# Altium PCB STM32MP25XXAK_2_DDR3L_ascii.PcbDoc (part 5 of 6)
Units mm, origin at the board's own origin, x right, y up, seen from the top; angles counter-clockwise.
Board outline 120 x 79.6 mm, 4 copper layers (Top Layer, Signal Layer 1, Signal Layer 2, Bottom Layer), stack 1.614 mm thick; 247 components, 155 nets, 1312 pads, 792 vias.
Unrouted connection lines stored in the file: 6.
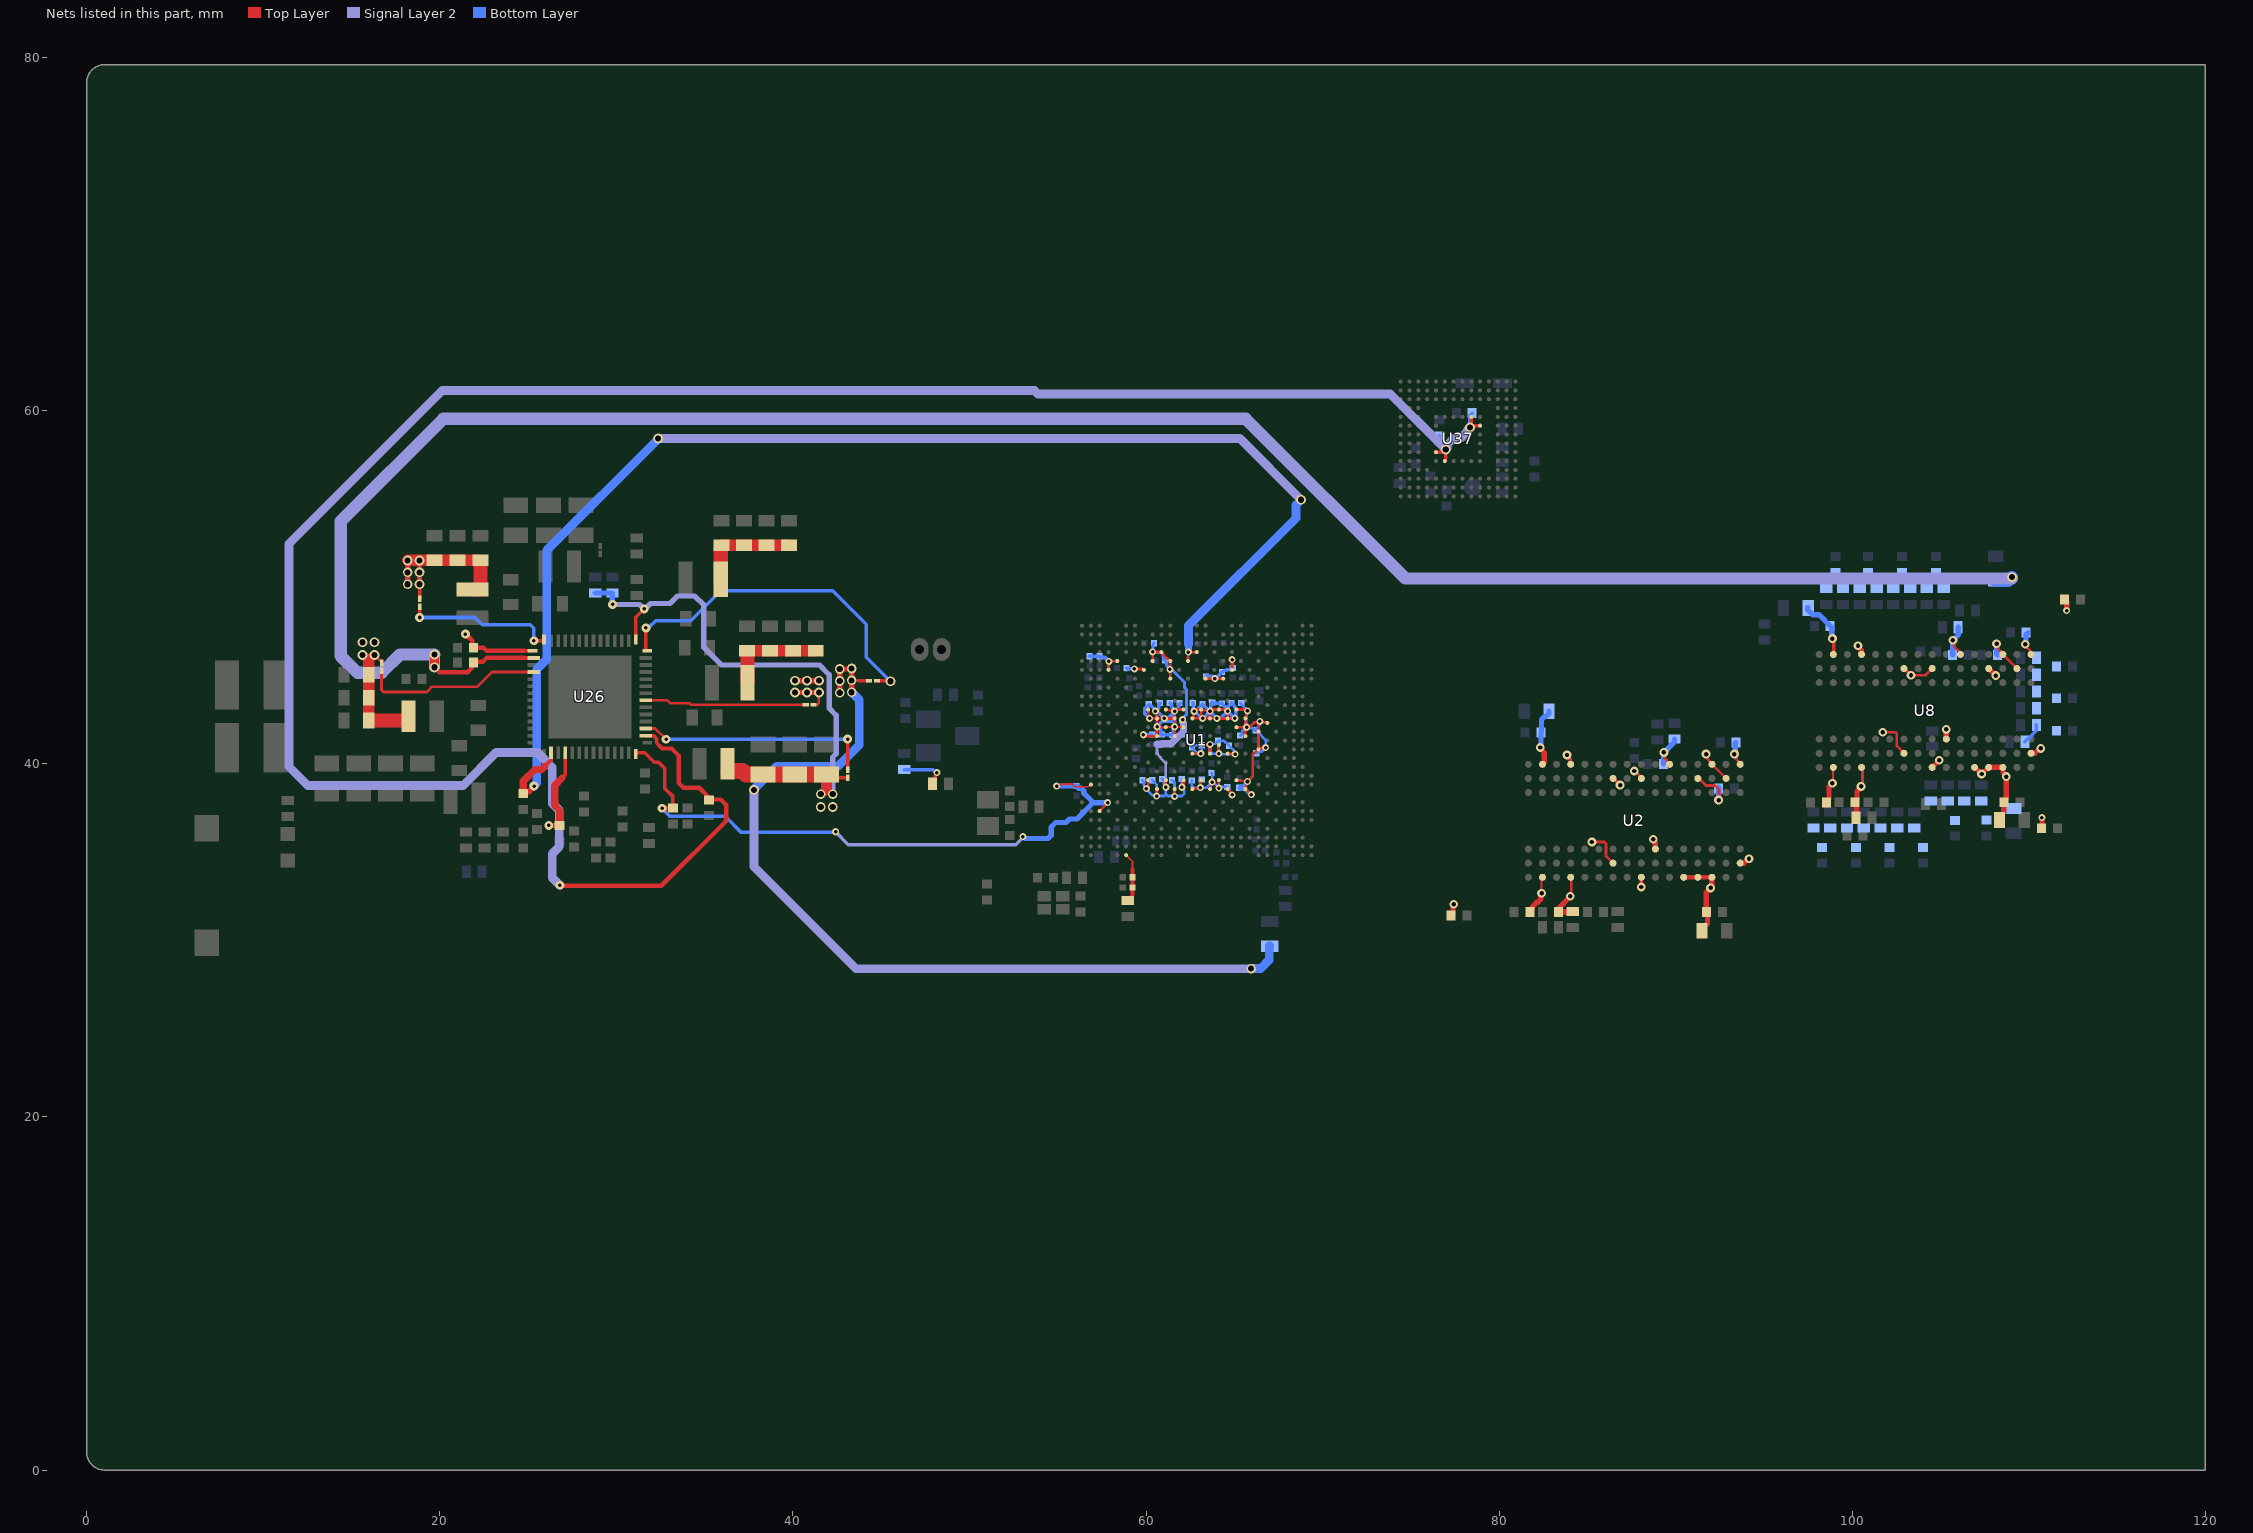
[diagram p6: the nets of this part, all layers, seen from the top]

## Via types
v1: diameter 0.55, hole 0.35, Top Layer to Bottom Layer, 275 vias
v2: diameter 0.4, hole 0.2, Top Layer to Bottom Layer, tented both sides, 246 vias
v3: diameter 0.5, hole 0.2, Top Layer to Bottom Layer, 146 vias
v4: diameter 0.5, hole 0.25, Top Layer to Bottom Layer, 125 vias

## Nets (pads, with @x,y where several pads share a name; then routed paths per layer and width w, separated by ;. In a path a pad name is that pad's centre, name@x,y a point inside that pad or via, vN(x,y) a via of type N, cw(c..) or ccw(c..) an arc to the next point about the centre after c; other vN are vias at no path point) (continued)
VDD_DDR: C39.2 C41.2 C75.2 C76.2 C77.1 C82.2 C83.2 C100.2 C101.2 C102.2 C103.2 C104.2 C105.2 C106.2 C107.2 C108.2 C109.2 C110.2 C111.2 C112.2 C113.2 C114.2 C115.2 C116.2 C119.2 C146.2 C167.2 C177.2 C200.2 C202.2 L5.2 LNK8.2 R141.2 R143.2 R146.2 R148.2 U1.1C11 U1.1D12 U1.1E11 U1.1F12 U1.1L11 U1.1M12 U1.M22 U1.N21 U1.R21 U2.A1 U2.A8 U2.B2 U2.C1 U2.C9 U2.D2 U2.D9 U2.E9 U2.F1 U2.G7 U2.H2 U2.H9 U2.K2 U2.K8 U2.N1 U2.N9 U2.R1 U2.R9 U8.A1 U8.A8 U8.B2 U8.C1 U8.C9 U8.D2 U8.D9 U8.E9 U8.F1 U8.G7 U8.H2 U8.H9 U8.K2 U8.K8 U8.N1 U8.N9 U8.R1 U8.R9 U26.43 | length 84.4
  Top Layer w0.1: v4(82.407,32.675) 82.407,33.525 U2.R9@82.457,33.575 ; v4@98.908,38.9 U8.R9@98.908,39.777
  Top Layer w0.125: U2.C1@92.057,39.977 U2.B2@92.858,39.177
  Top Layer w0.15: v1(16.298,46.165) 16.7,45.763 LNK8.2@16.7,45.723 ; U1.1L11@65.125,39.075 v2(65.75,39) U1.1M12@65.625,38.575 65.625,38.565 65.9,38.29 v2@65.9,38.26 ; U1.1E11@65.125,42.075 v2@65.625,42.075 ; U1.1C11@65.125,43.075 65.675,43.075 v2(65.75,43) ; U1.1F12@65.625,41.575 v2@65.625,42.075 ; v2@65.675,42.99 65.675,42.646 65.625,42.597 U1.1D12@65.625,42.575 v2@65.625,42.075 ; v2@66.375,42.274 66.458,42.357 66.137,42.357 65.89,42.111 65.661,42.111 v2@65.625,42.075 ; C146.2@77.282,31.4 77.387,31.505 77.462,31.58 77.462,31.98 v4@77.482,32 ; v4@84.091,32.558 U2.N9@84.091,33.541 ; v4(85.257,35.575) 85.971,35.575 86.059,35.487 86.059,34.773 U2.K8@86.457,34.375 ; v4@87.657,39.625 88.058,39.224 U2.H2@88.058,39.177 ; v4@89.328,40.725 89.333,40.725 89.358,40.7 89.358,40.328 89.657,40.029 U2.F1@89.657,39.975 ; U2.D2@91.258,39.177 91.311,39.177 91.711,38.777 92.218,38.777 92.457,38.538 v4@92.457,38.025 ; v4(91.729,40.55) 91.796,40.483 91.796,40.377 91.799,40.374 91.799,40.287 92.057,40.029 92.057,39.977 U2.C1@92.057,39.975 ; v4(93.332,40.55) 93.332,40.455 93.449,40.338 93.449,40.253 93.582,40.119 93.582,40.117 93.657,40.042 U2.A1@93.657,39.975 ; v4(100.507,38.725) 100.507,38.819 100.582,38.894 U8.N9@100.582,39.75 ; v4@101.732,41.8 102.442,41.8 102.53,41.712 102.53,41.002 U8.K8@102.932,40.6 ; v4@103.332,45.05 103.357,45.025 104.156,45.025 U8.H2@104.533,45.402 ; v4(105.704,47.005) 105.711,46.801 105.808,46.704 105.808,46.628 106.107,46.328 U8.F1@106.107,46.2 ; v4@108.182,46.775 108.249,46.708 108.249,46.512 108.507,46.254 U8.C1@108.507,46.202 ; C110.2@108.333,37.002 108.582,37.251 108.583,37.252 C115.2@108.583,37.927 ; C110.2@108.334,36.857 C110.2@108.334,36.981 ; U8.C1@108.469,46.241 U8.C1@108.507,46.202 ; U8.C1@108.507,46.2 U8.C1@108.507,46.202 ; U8.C1@108.532,46.2 U8.B2@109.332,45.4 ; v4@109.793,46.75 109.793,46.685 110.093,46.385 110.093,46.238 U8.A1@110.132,46.2
  Top Layer w0.16: v2(65.75,39) 66.042,39.292 66.042,40.512 U1.R21@66.32,40.79 ; U1.R21@66.321,40.79 66.363,40.832 66.363,41.813 U1.N21@66.375,41.825 v2@66.375,42.274 ; U1.R21@66.375,40.825 66.394,40.825 66.471,40.902 66.757,40.902 v2@66.78,40.925 ; v2@66.458,42.357 66.843,42.357 U1.M22@66.875,42.325
  Top Layer w0.2: v4(83.849,40.5) 83.849,40.468 84.02,40.297 84.02,40.015 U2.N1@84.058,39.977 ; U2.K2@86.483,39.177 86.835,38.825 v4@86.857,38.825 ; U2.H9@88.02,33.538 88.024,33.538 88.057,33.505 v4@88.057,33.05 ; v4(98.882,47.094) 98.95,46.818 98.95,46.217 U8.R1@98.932,46.2 ; U8.K2@102.958,45.402 103.31,45.05 v4@103.332,45.05
  Top Layer w0.21: 24.775,46.4 U26.43@25.325,46.4
  Top Layer w0.25: 21.695,47.125 21.699,47.125 21.845,46.979 21.845,46.685 C39.2@21.955,46.575 ; C39.2@22.005,46.575 22.475,46.575 22.65,46.4 24.775,46.4
  Top Layer w0.275: U2.E9@90.457,33.575 U2.D9@91.257,33.575 91.259,33.577 91.825,33.577 ; 91.825,33.575 U2.C9@92.057,33.575 ; U8.H9@104.533,39.802 v4(104.933,40.202) ; U8.E9@106.934,39.811 107.319,39.425 v4(107.332,39.425) ; v4@107.332,39.525 107.359,39.498 107.406,39.498 107.67,39.762 107.674,39.762 107.711,39.8 U8.D9@107.732,39.8
  Top Layer w0.3: v3@21.444,47.376 21.695,47.125 ; C146.2@77.387,31.505 77.387,31.949 77.432,31.994 v4(77.432,32.048) ; C103.2@81.758,31.6 81.863,31.705 81.863,31.854 81.963,31.954 81.963,31.979 82.137,32.153 82.182,32.153 82.358,32.329 82.358,32.571 82.407,32.621 v4(82.407,32.675) ; v4(82.332,40.925) 82.332,40.871 82.557,40.646 82.557,40.088 82.457,39.988 U2.R1@82.457,39.975 ; C104.2@83.576,31.625 R143.2@84.183,31.625 84.158,31.6 C104.2@83.358,31.6 83.358,31.808 v4@84.032,32.482 ; v4@88.732,35.7 88.732,35.646 88.848,35.53 88.848,35.184 U2.G7@88.857,35.175 ; C101.2@91.507,30.65 91.807,30.95 91.807,31.675 C108.2@91.763,31.719 ; C108.2@91.732,31.675 91.732,32.721 91.982,32.971 v4(91.982,32.975) 91.982,33.029 92.048,33.094 92.048,33.565 U2.C9@92.057,33.575 ; U2.A8@93.71,34.375 93.856,34.375 94.131,34.65 v4@94.157,34.65 ; C111.2@98.583,37.902 98.688,38.007 98.688,38.705 v4(98.882,38.9) ; C114.2@100.158,37.825 100.224,37.759 R148.2@100.224,36.946 ; C114.2@100.27,37.989 100.27,38.433 100.507,38.671 v4(100.507,38.725) ; v4(100.333,46.689) 100.333,46.635 100.513,46.454 100.513,46.219 U8.N1@100.532,46.2 ; U8.G7@105.332,41.4 v4(105.333,41.95) ; U8.D9@107.732,39.8 108.532,39.8 108.541,39.79 108.541,39.52 108.732,39.329 v4(108.732,39.275) 108.732,38.076 C115.2@108.687,38.031 ; U8.D2@107.732,45.4 v4(108.132,45) ; C110.2@108.333,37.001 C110.2@108.582,37.25 ; C110.2@108.582,37.251 C115.2@108.582,37.9 ; C115.2@108.584,37.927 C115.2@108.687,38.03 ; U8.A8@110.132,40.6 110.343,40.6 v4@110.653,40.91 ; C167.2@110.733,36.35 110.75,36.368 v2(110.75,36.957) ; C177.2@112.025,49.305 112.15,49.18 v2(112.15,48.68)
  Top Layer w0.64: C202.2@15.975,42.45 C41.2@15.975,43.75 C200.2@15.975,45.05 ; 15.975,45.495 15.975,45.925
  Top Layer w0.8: C202.2@16.2,42.45 L5.2@17.975,42.45
  Bottom Layer w0.15: C83.2@65.35,43.425 v2@65.627,43.148 ; C82.2@65.352,41.603 65.452,41.703 65.452,41.862 v2@65.625,42.035 ; v2@65.625,42.075 65.625,42.143 65.675,42.193 v2@65.675,42.99 ; v2@65.673,42.027 66.023,42.027 66.183,41.867 C75.2@66.218,41.867 ; C75.2@66.205,41.9 66.305,41.8 66.34,41.8 66.78,41.36 v2@66.78,40.925
  Bottom Layer w0.16: C75.2@66.175,41.9 66.27,41.995 66.27,42.018 66.404,42.152 66.404,42.354 v2(66.45,42.4) ; C77.1@66.25,40.6 66.332,40.682 66.537,40.682 v2@66.78,40.925
  Bottom Layer w0.2: v2(65.75,39) 65.476,38.726 65.466,38.726 65.463,38.723 65.349,38.723 C76.2@65.274,38.648 65.349,38.573 65.607,38.573 65.92,38.26 v2(65.97,38.26)
  Bottom Layer w0.3: v4@82.332,40.923 82.369,40.96 82.369,41.76 82.407,41.798 82.407,42.502 82.582,42.678 82.662,42.678 82.832,42.848 C100.2@82.832,42.973 ; C102.2@89.308,40.002 89.308,40.605 89.933,41.23 R141.2@89.933,41.4 ; C105.2@92.432,38.673 92.444,38.66 92.444,38.035 v4@92.457,38.023 ; v4(93.332,40.55) 93.369,40.586 93.369,41.161 C107.2@93.407,41.198 ; C109.2@97.481,48.848 97.481,48.723 97.75,48.454 98.125,48.454 C116.2@98.844,47.735 ; C116.2@98.843,47.734 98.843,47.132 v4(98.882,47.094) ; C113.2@105.683,46.17 105.704,46.191 v4(105.704,47.005) 106.008,47.309 R146.2@106.008,47.735 ; v4(108.182,46.8) 108.182,46.22 C119.2@108.233,46.17 ; v4@108.195,46.787 v4@108.219,46.811 ; v4@109.781,46.748 109.781,46.802 109.851,46.872 109.851,47.318 C112.2@109.956,47.423
  other v1: 15.623,46.165 15.623,46.89 16.298,46.89
  other v2: 66.78,40.921 65.7,42.075
  other v3: 21.45,47.348
  other v4: 84.032,32.5 88.057,33.025 94.157,34.625 88.732,35.725 92.432,37.95 86.857,38.795 87.657,39.595 89.333,40.65 110.677,40.875 101.732,41.795 103.332,45.02 109.807,46.775
VDD_DDR_FB: LNK8.1 U26.46 | length 10.2
  Top Layer w0.15: LNK8.1@16.7,45.273 16.7,44.19 16.817,44.073 19.267,44.073 19.567,44.373 20.237,44.373 20.239,44.375 22.127,44.375 22.952,45.2 U26.46@25.33,45.2
VDD_EMMC: C9.2 C117.2 C190.1 U26.16 U37.E6 U37.F5 U37.J10 U37.K9 | length 132.2
  Top Layer w0.2: U37.E6@76.425,57.655 76.73,57.655 76.88,57.805 v1(76.975,57.805) 76.975,57.213 76.925,57.163 U37.F5@76.925,57.155 ; v1(78.35,59.055) v1@78.425,59.13 ; U37.J10@78.425,59.655 78.425,59.225 78.417,59.217 78.417,59.138 v1@78.425,59.13 ; U37.K9@78.925,59.155 78.545,59.155 78.512,59.122 78.433,59.122 v1@78.425,59.13
  Top Layer w0.21: U26.16@31.67,41.6 32.1,41.6 32.288,41.412 32.288,41.187 32.434,41.041
  Top Layer w0.25: v3@26.752,33.092 32.549,33.092 36.225,36.768 36.225,37.668 35.912,37.981 C190.1@35.266,37.981 ; 32.432,41.038 32.598,40.872 33.128,40.872 33.525,40.475 33.525,38.925 33.8,38.65 34.695,38.65 35.25,38.095 C190.1@35.25,38.025
  Signal Layer 2 w0.5: v3(26.8,33.125) 26.372,33.553 26.372,34.908 26.765,35.301 26.765,37.369 26.372,37.762 26.372,39.786 25.509,40.649 23.203,40.649 21.327,38.773 12.524,38.773 11.458,39.839 11.458,52.457 20.147,61.146 53.676,61.146 53.869,60.953 73.827,60.953 76.886,57.894 v1(76.975,57.805) 76.975,57.819 77.05,57.894 77.05,58.059 77.431,58.44 77.819,58.44 78.2,58.821 78.2,58.891 78.34,59.032 v1@78.34,59.045
  Bottom Layer w0.2: C9.2@76.615,58.58 76.615,58.074 76.884,57.805 v1(76.975,57.805) ; v1(78.35,59.055) 78.35,59.739 C117.2@78.475,59.864
VDD_SDCARD: C215.1 U26.4 | length 5.1
  Top Layer w0.21: 26.925,39.2 27.1,39.375 U26.4@27.1,40.63
  Top Layer w0.3: v3(26.165,36.51) C215.1@26.775,36.51
  Top Layer w0.4: C215.1@26.775,36.51 26.775,37.393 26.51,37.658 26.51,38.785 26.925,39.2
VDDA1V8_AON: C189.2 C234.2 U1.AB3 U1.W2 U26.14 | length 37.9
  Top Layer w0.09: 56.026,38.692 56.705,38.692 56.837,38.825 U1.W2@56.875,38.825 ; v2@57.825,37.775 v2(57.825,37.8)
  Top Layer w0.1: v2(54.932,38.744) 54.99,38.801 55.205,38.801 55.267,38.863 55.805,38.863 55.975,38.692 56.026,38.692
  Top Layer w0.15: U1.AB3@57.375,37.325 v2@57.825,37.775
  Top Layer w0.21: U26.14@31.1,40.63 31.61,40.63 32.148,40.092 32.387,40.092 32.745,39.734 32.745,38.602 33.2,38.147 C189.2@33.2,37.49
  Top Layer w0.3: v3(32.59,37.49) C189.2@33.2,37.49
  Signal Layer 2 w0.2: v2(42.415,36.154) 43.144,35.425 52.627,35.425 53.025,35.823 v2(53.025,35.875)
  Bottom Layer w0.2: v3@32.57,37.493 33.032,37.031 36.158,37.031 37.056,36.133 42.394,36.133 v2(42.415,36.154)
  Bottom Layer w0.3: v2(53.025,35.875) 53.052,35.875 53.152,35.775 53.829,35.775 53.836,35.769 54.451,35.769 54.627,35.944 54.627,36.412 54.891,36.675 55.461,36.675 55.662,36.877 56.088,36.877 57.012,37.8 ; v2(54.932,38.744) 54.936,38.748 C234.2@56.064,38.748 56.199,38.613 56.338,38.613 56.479,38.472 56.479,38.333 57.012,37.8 ; v2(57.825,37.8) 57.012,37.8
VDDCORE: C22.2 C23.2 C24.2 C44.1 C45.2 C46.2 C47.1 C48.2 C49.2 C50.2 C51.2 C183.2 C192.2 C197.2 C201.2 L2.2 LNK2.2 R11.1 U1.1C1 U1.1C3 U1.1C5 U1.1D2 U1.1D4 U1.1E3 U1.1E5 U1.1F2 U1.1F4 U1.E5 U1.F4 U1.F8 | length 78.2
  Top Layer w0.15: U1.F4@57.875,45.325 v2(57.9,45.8) U1.E5@58.375,45.825 ; v2@59.4,45.375 59.803,45.375 59.853,45.325 U1.F8@59.875,45.325 ; v2(59.85,41.65) 59.904,41.65 59.981,41.573 U1.1F2@60.624,41.573 ; U1.1C1@60.125,43.075 60.125,42.724 60.206,42.643 v2@60.206,42.575 ; v2(60.21,42.575) U1.1D2@60.625,42.575 ; v2@60.545,42.99 60.545,42.922 60.625,42.842 U1.1D2@60.625,42.575 ; U1.1F2@60.625,41.65 v2(60.625,42.1) ; U1.1C3@61.125,43.075 v2(61.625,42.983) ; U1.1F4@61.625,41.575 v2(61.625,42.1) ; U1.1E5@62.125,42.075 v2(61.625,42.1) ; U1.1C5@62.125,43.075 61.771,43.075 61.679,42.983 v2(61.625,42.983) ; v2(60.625,42.1) U1.1D2@60.625,42.575 ; v2(60.625,42.1) 60.65,42.075 U1.1E3@61.125,42.075 v2(61.625,42.1) ; U1.1D2@60.625,42.575 61.017,42.572 61.622,42.572 U1.1D4@61.625,42.575 ; v2(61.625,42.1) U1.1D4@61.625,42.575 ; U1.1D4@61.625,42.575 v2@61.625,42.983
  Top Layer w0.2: C22.2@39.775,52.375 C22.2@39.823,52.423 ; 43.7,44.7 LNK2.2@44.316,44.7
  Top Layer w0.3: v1(42.656,44.024) v1(42.656,44.699) v1(42.656,45.374) 43.331,45.374 43.331,44.729 v1@43.331,44.024
  Top Layer w0.64: C183.2@35.95,52.375 C24.2@37.225,52.375 C23.2@38.5,52.375 C22.2@39.775,52.375
  Top Layer w0.8: L2.2@35.915,50.2 L2.2@35.915,50.45 C183.2@35.915,52.173
  Signal Layer 2 w0.5: v1(37.8,38.525) 37.798,38.523 37.798,34.168 43.576,28.39 v1@65.911,28.39 ; v1@65.911,28.391 65.947,28.391 v1(65.956,28.4)
  Bottom Layer w0.2: C192.2@56.8,46.1 C201.2@57.375,46.1 57.45,46.025 57.675,46.025 v2(57.9,45.8) ; C197.2@58.9,45.425 58.942,45.383 v2(59.342,45.383) ; v2(59.85,41.65) 60.346,41.65 C44.1@60.351,41.655 ; v2@60.206,42.575 59.942,42.839 59.942,43.153 60.059,43.27 60.098,43.27 60.173,43.345 60.198,43.32 60.235,43.32 60.285,43.27 60.328,43.27 60.507,43.091 60.507,43.028 60.545,42.99 v2@60.578,42.99 ; C51.2@60.814,43.438 60.788,43.438 60.725,43.375 60.725,43.137 v2@60.578,42.99 ; C46.2@60.84,41.657 C46.2@60.913,41.657 ; C46.2@60.915,41.655 C46.2@60.913,41.657 ; v2@61.135,42.572 61.017,42.572 61.017,42.591 60.719,42.89 60.699,42.89 60.599,42.99 v2@60.578,42.99 ; C49.2@61.377,43.437 61.452,43.362 61.452,43.201 61.625,43.028 v2(61.625,42.983) v2@61.616,42.961 ; C47.1@61.476,41.631 C47.1@61.502,41.657 ; C50.2@61.941,43.438 61.866,43.363 61.866,43.211 v2@61.616,42.961 ; C48.2@62.038,41.657 C47.1@61.502,41.657 ; C46.2@60.913,41.657 C47.1@61.502,41.657 ; C46.2@60.913,41.657 60.84,41.73 60.84,41.94 60.719,42.062 60.663,42.062 v2(60.625,42.1) 60.625,42.107 60.923,42.405 v2@61.06,42.405 ; v2@61.06,42.405 v2@61.227,42.572 ; v2@61.06,42.405 61.623,42.405 ; v2@61.227,42.572 v2@61.616,42.961 ; v2@61.227,42.572 61.455,42.572 ; 61.455,42.572 v2@61.616,42.961 ; 61.455,42.572 61.623,42.405 ; C47.1@61.502,41.657 61.551,41.706 61.551,41.972 61.625,42.046 v2(61.625,42.1) 61.623,42.102 61.623,42.405
  Bottom Layer w0.5: v1(37.8,38.525) 37.81,38.535 37.81,38.592 39.084,39.866 42.555,39.866 43.757,41.068 43.757,43.623 v1(43.326,44.054) ; v1(65.956,28.4) 66.485,28.4 66.983,28.898 66.983,29.658 R11.1@67,29.675
  other v1: 43.326,44.729 43.326,45.404
  other v2: 61.04,42.575 60.531,42.99
VDDCORE_FB: LNK2.1 U26.28 | length 20.6
  Top Layer w0.2: U26.28@31.67,46.4 v3(31.67,47.7) ; LNK2.1@44.766,44.7 v1@45.376,44.7
  Bottom Layer w0.2: v3@31.645,47.7 31.702,47.757 31.876,47.757 32.229,48.111 34.209,48.111 35.902,49.804 42.248,49.804 44.15,47.902 44.15,46.041 v1@45.508,44.683 ; v3@31.65,47.703 31.707,47.761 31.881,47.761 32.234,48.114
  other v1: 45.533,44.683
VDDCPU: C26.2 C27.2 C28.2 C62.1 C63.2 C64.2 C65.1 C66.2 C67.2 C68.2 C69.2 L3.2 LNK4.1 U1.1C7 U1.1C9 U1.1D6 U1.1D8 U1.1D10 U1.F18 U1.G15 U1.G17 | length 28.3
  Top Layer w0.15: v2@62.725,42.907 v2@62.725,42.975 ; v2@63.2,42.575 U1.1D6@62.625,42.575 62.625,42.597 62.696,42.668 62.696,42.956 v2(62.72,42.98) 62.788,42.98 62.883,43.075 U1.1C7@63.125,43.075 ; U1.G15@63.375,44.825 v2(63.9,44.825) U1.G17@64.375,44.825 ; U1.F18@64.875,45.325 v2(64.875,45.91) ; v2@65.017,42.572 64.628,42.572 U1.1D10@64.625,42.575 ; U1.1C7@63.125,43.075 63.125,42.728 63.21,42.643 v2(63.21,42.575) U1.1D8@63.625,42.575 ; U1.1C7@63.125,43.075 v2(63.625,42.983) ; U1.1D8@63.625,42.575 v2(63.625,42.983) ; U1.1D8@63.625,42.575 v2(64.017,42.572) 64.622,42.572 U1.1D10@64.625,42.575 ; v2(63.625,42.983) 63.693,42.983 63.784,43.075 U1.1C9@64.125,43.075 64.466,43.075 64.557,42.983 v2(64.625,42.983) U1.1D10@64.625,42.575
  Top Layer w0.2: LNK4.1@18.85,49.35 v1(18.85,50.173)
  Top Layer w0.3: v1(18.175,50.173) v1(18.175,50.848) v1(18.175,51.523) v1(18.85,51.523) v1(18.85,50.848) v1(18.85,50.173)
  Top Layer w0.64: v1(18.175,51.523) v1(18.175,51.523) C27.2@19.7,51.525 C28.2@21,51.525 C26.2@22.3,51.525
  Top Layer w0.8: L3.2@21.85,49.875 22.3,49.875 22.3,51.173
  Bottom Layer w0.15: v2(64.875,45.91) 64.895,45.89 C66.2@64.895,45.441
  Bottom Layer w0.2: C63.2@62.65,43.455 62.685,43.42 v2@62.685,43.015 ; C67.2@63.4,44.95 63.775,44.95 v2(63.9,44.825) 63.933,44.825 64.23,45.122 64.23,45.127 64.3,45.197 C69.2@64.305,45.197 ; v2(64.017,42.572) 64.055,42.61 64.252,42.61 v2(64.625,42.983) ; v2@64.017,42.583 v2@63.625,42.975 ; C69.2@64.305,45.202 64.579,45.324 64.778,45.324 64.886,45.432 64.91,45.423 C66.2@64.915,45.421 ; v2@63.625,42.975 v2(63.625,42.983) ; v2@63.625,42.975 63.625,42.963 63.237,42.575 63.169,42.575 62.764,42.98 v2(62.72,42.98) 62.758,43.018 62.843,43.018 C62.1@63.2,43.375 63.275,43.3 63.308,43.3 v2(63.625,42.983) ; v2(63.625,42.983) 63.625,43.038 63.675,43.088 63.675,43.4 C65.1@63.75,43.475 63.784,43.441 64.284,43.441 C68.2@64.3,43.425 64.587,43.138 64.587,43.022 v2(64.625,42.983) ; v2(64.625,42.983) 64.658,43.016 64.658,43.258 C64.2@64.85,43.45 65.03,43.27 65.03,43.196 65.086,43.141 65.086,42.672 65.04,42.626 v2(65.04,42.572) 65.036,42.572 v2(64.625,42.983)
VDDCPU_FB: LNK4.2 U26.42 | length 8.6
  Top Layer w0.2: v3(18.85,48.29) LNK4.2@18.85,48.9 ; v3(25.325,46.975) U26.42@25.895,46.975
  Bottom Layer w0.2: v3(18.85,48.29) 21.979,48.29 22.394,47.875 25.123,47.875 25.325,47.673 v3(25.325,46.975)
VDDGPU: C34.2 C35.2 C36.2 C37.2 C52.2 C53.2 C54.2 C55.2 C57.2 C58.2 C59.2 C60.2 L4.2 LNK7.2 U1.1G7 U1.1G9 U1.1H6 U1.1H8 U1.1H10 U1.1L7 U1.1L9 U1.1M6 U1.1M8 U1.1M10 | length 24.7
  Top Layer w0.1: U1.1H6@62.625,40.575 U1.1H6@62.625,40.61
  Top Layer w0.125: v2(64.125,40.575) U1.1G9@64.125,41.075
  Top Layer w0.15: LNK7.2@41.175,43.35 41.182,43.358 41.385,43.358 41.473,43.445 v1(41.473,44.038) ; U1.1M6@62.625,38.575 v2(63.075,38.65) U1.1L7@63.125,39.075 ; U1.1H6@62.625,40.575 v2(63.1,40.575) ; U1.1G7@63.125,41.075 v2(63.625,41.1) U1.1H8@63.625,40.575 ; U1.1M8@63.625,38.575 v2(63.747,38.971) ; v2(64.125,38.629) U1.1L9@64.125,39.075 ; U1.1M10@64.625,38.575 v2(64.876,38.245)
  Top Layer w0.16: U1.1H10@64.625,40.575 v2(65.05,40.55)
  Top Layer w0.2: C35.2@41.55,46.393 C35.2@41.598,46.345
  Top Layer w0.3: v1(40.123,44.038) v1(40.798,44.038) v1(41.473,44.038) ; v1(40.123,44.713) v1(40.798,44.713) v1(41.473,44.713)
  Top Layer w0.64: C37.2@37.4,46.4 C36.2@38.7,46.4 C34.2@40,46.4 C35.2@41.3,46.4
  Top Layer w0.8: L4.2@37.425,44.6 37.425,46.073
  Bottom Layer w0.15: C57.2@62.592,39.053 62.592,38.738 62.68,38.65 v2(63.075,38.65) ; C60.2@63.154,39.122 63.092,39.06 63.092,38.667 v2(63.075,38.65) ; C59.2@63.714,39.486 63.747,39.453 v2(63.747,38.971) ; v2(64.876,38.245) 64.876,38.289 64.707,38.458 64.707,38.597 C58.2@64.607,38.697 64.193,38.697 v2(64.125,38.629) 63.783,38.971 v2(63.747,38.971) ; v2(63.075,38.65) 63.426,38.65 v2(63.747,38.971) ; C52.2@63.162,41.057 62.788,41.057 62.756,41.025 62.7,41.025 C55.2@62.6,40.925 62.902,40.623 63.052,40.623 v2(63.1,40.575) 63.162,40.637 C52.2@63.162,41.057 ; C52.2@63.162,41.057 63.184,41.079 63.603,41.079 v2(63.625,41.1) ; v2(63.625,41.1) 63.656,41.131 63.908,41.131 C53.2@64.083,41.306 ; v2(63.625,41.1) 63.625,40.719 63.769,40.575 v2(64.125,40.575) ; C53.2@64.083,41.306 64.396,41.306 64.463,41.239 64.496,41.239 C54.2@64.706,41.029 65.002,40.733 65.002,40.598 v2(65.05,40.55) 64.15,40.55 v2(64.125,40.575) ; C53.2@64.083,41.306 64.083,40.962 64.125,40.919 v2(64.125,40.575)
VDDGPU_FB: LNK7.1 U26.21 | length 9.3
  Top Layer w0.15: U26.21@31.55,43.6 32.883,43.6 33.06,43.423 34.14,43.423 34.213,43.35 LNK7.1@40.725,43.35
VDDIO: C70.1 C71.2 C72.2 C73.1 C74.2 C185.2 C186.2 C187.2 C196.2 C205.2 L6.2 LNK11.2 R27.2 R67.2 R260.2 R261.2 U1.1L1 U1.1L3 U1.1L5 U1.1M2 U1.1M4 U1.D10 U1.E9 U1.E11 U1.G11 U26.29 | length 59.1
  Top Layer w0.15: v2(60.025,38.6) 60.025,38.618 60.125,38.718 U1.1L1@60.125,39.075 ; U1.E9@60.375,45.825 U1.E9@60.397,45.825 ; U1.E9@60.375,45.825 v2(60.375,46.344) ; v2@60.448,46.335 U1.D10@60.865,46.335 ; v2(60.6,38.175) U1.1M2@60.625,38.575 ; U1.D10@60.875,46.325 60.875,46.322 61,46.197 61,46.17 61.22,45.95 61.247,45.95 61.372,45.825 U1.E11@61.375,45.825 61.375,45.448 61.362,45.435 61.375,45.423 U1.G11@61.375,44.825 ; v2(61.125,38.675) U1.1L3@61.125,39.075 ; U1.1M4@61.625,38.575 61.625,38.212 v2@61.663,38.175 ; v2@62.05,38.675 62.05,38.743 62.125,38.818 U1.1L5@62.125,39.075
  Top Layer w0.2: U26.29@31.1,47.045 31.1,48.298 v3(31.575,48.773) ; C186.2@41.9,39.4 42.085,39.215 LNK11.2@43.1,39.215 ; R27.2@47.905,38.872 48.06,39.027 48.06,39.347 48.158,39.446 v2(48.158,39.5)
  Top Layer w0.64: 41.9,38.525 C186.2@41.9,38.955
  Top Layer w0.9: L6.2@36.35,39.6 37.15,39.6 37.35,39.4 C187.2@38.3,39.4 C185.2@40.1,39.4 C186.2@41.9,39.4
  Signal Layer 2 w0.15: 60.633,41.112 60.619,41.098 60.619,40.581 60.827,40.373 60.827,40.328 61.125,40.03 v2(61.125,38.675)
  Signal Layer 2 w0.3: v3(29.784,49.027) 31.299,49.027 31.55,48.776 v3@31.575,48.776 ; v3(31.575,48.773) 31.629,48.773 31.94,49.084 33.043,49.084 33.473,49.513 34.431,49.513 34.955,48.989 34.955,46.601 35.956,45.6 41.499,45.6 42.051,45.048 42.051,43.156 42.451,42.756 42.451,40.573 42.252,40.375 v1(42.252,38.285)
  Signal Layer 2 w0.4: 60.633,41.112 60.859,41.112 60.885,41.138 61.426,41.138 62.125,41.837 62.125,42.307 62.072,42.36 v2(62.072,42.497)